# Altium PCB Hall Board.PcbDoc (part 3 of 4)
Units mil, origin at the board's own origin, x right, y up, seen from the top; angles counter-clockwise.
Board outline 5491 x 4230 mil, 4 copper layers (Top Layer, Internal Plane 1, Internal Plane 2, Bottom Layer), stack 18.2 mil thick; 462 components, 334 nets, 1357 pads, 212 vias.
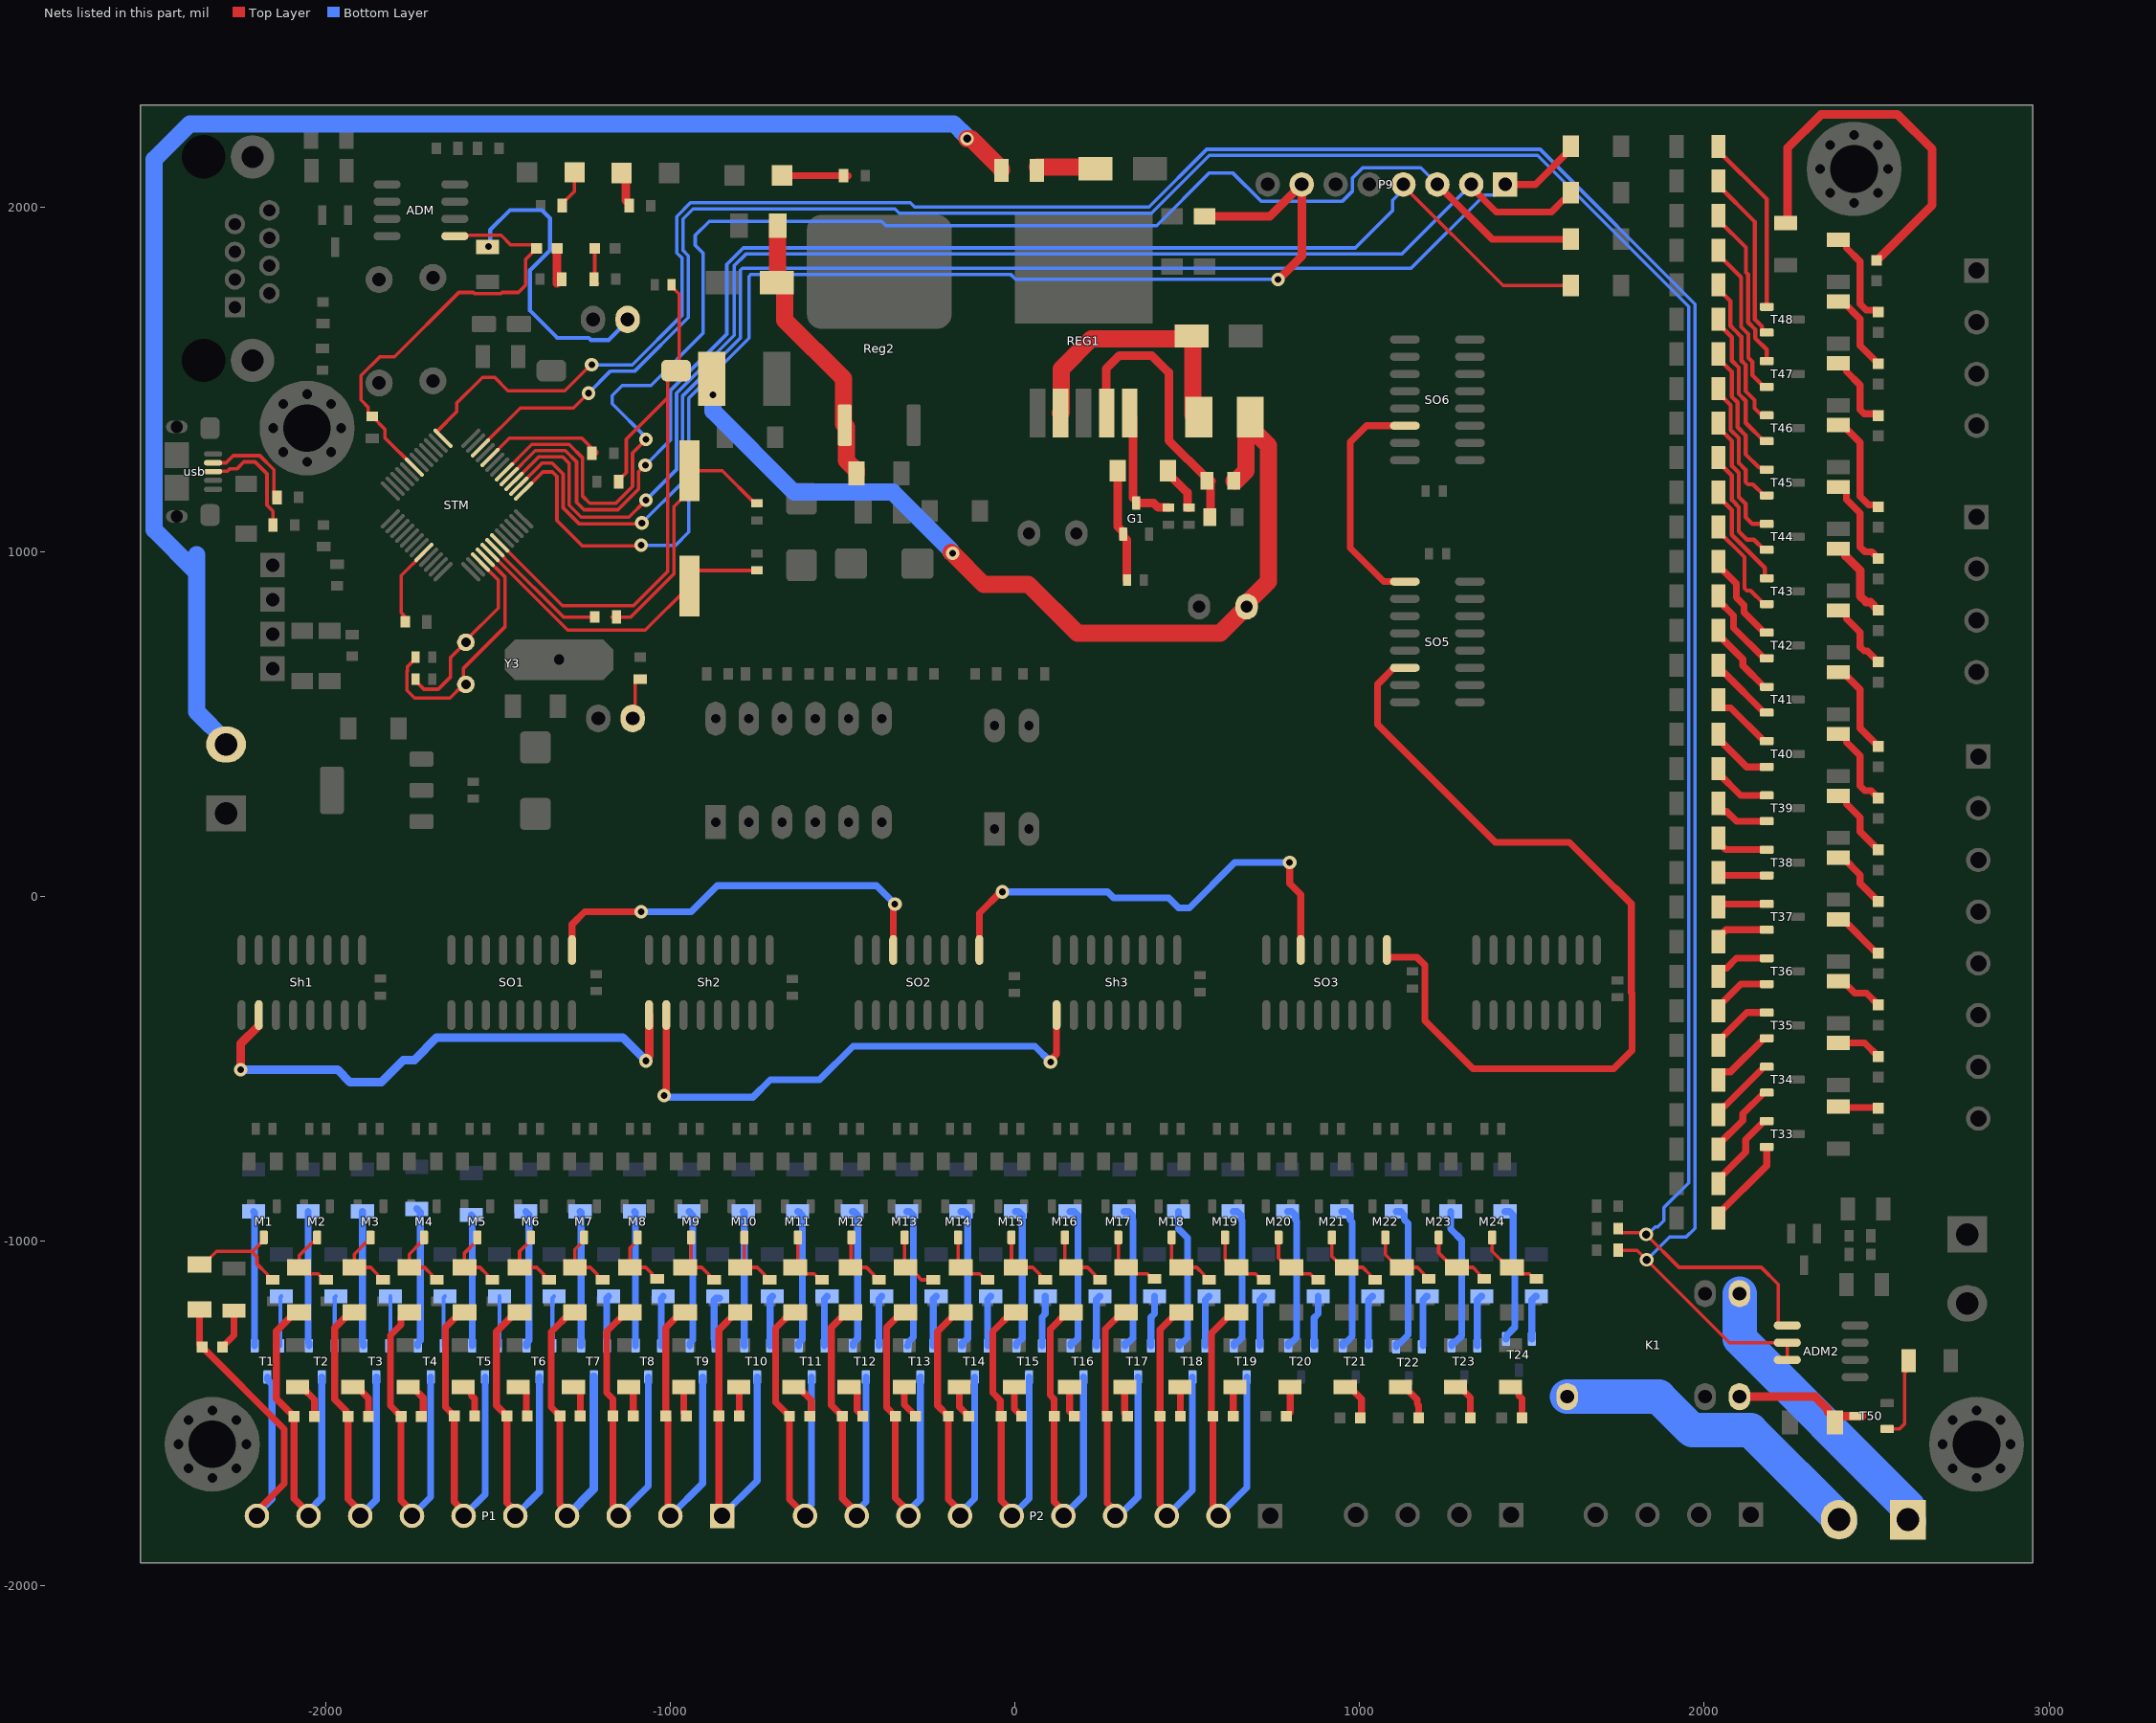
[diagram p5: the nets of this part, all layers, seen from the top]

## Via types
v1: diameter 39.37, hole 19.68, Top Layer to Bottom Layer, 199 vias
v2: diameter 39.37, hole 23.62, Top Layer to Bottom Layer, 12 vias
v3: diameter 78.74, hole 39.37, Top Layer to Bottom Layer, 1 vias

## Nets (pads, with @x,y where several pads share a name; then routed paths per layer and width w, separated by ;. In a path a pad name is that pad's centre, name@x,y a point inside that pad or via, vN(x,y) a via of type N, cw(c..) or ccw(c..) an arc to the next point about the centre after c; other vN are vias at no path point) (continued)
MISO: DZ14.2 P9.4 STM.16 | length 4024.6
  Top Layer w10: STM.16@-1468.28,1217.12 -1392.67,1292.73 -1305.61,1292.73 -1272.87,1260 -1272.87,1142.87 -1251.08,1121.08 -1152.74,1121.08 -1092.68,1181.14 -1092.68,1230.78 v1(-1073.46,1250) ; P9.4@1126.85,2065 1126.85,2060.32 1415.72,1771.44 DZ14.2@1612.16,1771.44
  Bottom Layer w10: v1(-1073.46,1250) -1000.59,1322.87 -1000.59,1466.72 -836.75,1630.56 -836.75,1832.97 -788.97,1880.75 986.75,1880.75 1095,1989 1095,2019 1126.85,2050.85 P9.4@1126.85,2065
MOSI: DZ13.2 P9.3 STM.17 | length 4320.7
  Top Layer w10: STM.17@-1482.2,1231.04 -1402.64,1310.61 -1294.35,1310.61 -1255,1271.26 -1255,1160 -1235,1140 -1159.1,1140 -1110.56,1188.54 -1110.56,1285.9 v1(-1071.45,1325)
  Top Layer w20: P9.3@1225.28,2065 1384.15,1906.13 DZ13.2@1612.16,1906.13
  Bottom Layer w10: v1(-1071.45,1325) -1071.45,1331.07 -1169.22,1428.84 -1169.22,1452.67 -1140,1481.89 -1057.19,1481.89 -905.37,1633.71 -905.37,1865.52 -928.43,1888.58 -928.43,1917.52 -887.95,1958 -387.65,1958 -375.28,1945.63 410.43,1945.63 562.37,2097.57 632.26,2097.57 713.14,2016.69 950.01,2016.69 979.21,2045.9 979.21,2084.1 1008.42,2113.31 1176.97,2113.31 P9.3@1225.28,2065
Net3.3V_2: 3.3V.2 R83.2 | length 103.6
  Top Layer w25: 3.3V.2@-1142.36,2098 -1130.43,2086.07 -1130.43,2019.33 -1120.44,2009.35 R83.2@-1120.44,2003.44
Net5V_2: 5V.2 R82.2 | length 111.4
  Top Layer w10: R82.2@-1314.46,2003.44 -1314.46,2009.35 -1278.72,2045.09 5V.2@-1278.72,2100
Net24V_2: 24V.2 R80.2 | length 193.4
  Top Layer w20: 24V.2@-676.69,2091.13 -676.12,2090.56 -484.34,2090.56 -483.77,2090
NetADM2_2: ADM2.2 ADM2.3 R'22.2 STM.25 | length 7968.9
  Top Layer w10: STM.25@-1660.37,1328.48 -1681.7,1349.81 -1681.7,1351 -1678.51,1347.81 -1621.18,1405.14 -1621.18,1429.77 -1545.95,1505 -1510.12,1505 -1471.79,1466.66 -1307.06,1466.66 -1232.17,1541.55 v1(-1229,1541.55) ; R'22.2@1750.62,-1027.27 1804.99,-1027.27 v2(1832.87,-1055.16) 2073.06,-1295.34 ADM2.2@2240.81,-1295.34 ADM2.3@2240.81,-1345.34
  Bottom Layer w10: v1(-1229,1541.55) -1110.9,1541.55 -966.28,1686.17 -966.28,1850.59 -982.06,1866.37 -982.06,1971.83 -942.27,2011.62 -303.96,2011.62 -291.59,1999.25 388.22,1999.25 555.9,2166.93 1523.63,2166.93 1972.75,1717.81 1972.75,-963.43 1947.41,-988.77 1899.26,-988.77 v2(1832.87,-1055.16)
NetC7_1: C7.1 R8.2 Y2.1 | length 785.4
  Top Layer w10: -1170.95,810 -1115,810 -990,935 -990,1130.59 -945,1175.59 Y2.1@-945,1234.65 -850.07,1234.65 -754.92,1139.5 C7.1@-750,1139.5
NetC12_1: C12.1 K1.2 | length 864.8
  Bottom Layer w100: K1.2@2102.13,-1152.94 2102.13,-1283.51 2591.5,-1772.89 2591.5,-1811.5 C12.1@2594,-1814
NetC12_2: C12.2 K1.1 | length 944.7
  Bottom Layer w100: K1.1@1602.13,-1452.15 1867.86,-1452.15 1965.11,-1549.39 2134.39,-1549.39 2392.37,-1807.37 2392.37,-1812.37 C12.2@2394,-1814
NetC15_2: C15.2 STM.3 Y3.1 | length 542.4
  Top Layer w10: C15.2@-1740.54,630 -1740.54,625.08 -1715.86,600.39 -1674.4,600.39 -1638.24,636.56 -1638.24,692.43 Y3.1@-1594.2,736.48 ; Y3.1@-1596.84,739.11 -1500,835.95 -1500,917.07 -1551.79,968.87 STM.3@-1551.79,969.36
NetC16_2: C16.2 STM.4 Y3.2 | length 746.7
  Top Layer w10: C16.2@-1740.54,694.06 -1740.54,689.14 -1764.08,665.61 -1764.08,653.21 -1765.23,652.06 -1765.23,596.94 -1743.28,575 -1640.23,575 Y3.2@-1600.8,614.43 ; Y3.2@-1594.2,614.43 Y3.2@-1600.8,614.43 ; STM.4@-1537.88,983.28 -1480,925.4 -1480,782.28 -1600.8,661.48 Y3.2@-1600.8,614.43
NetCM21_1: CM21.1 L5.1@-880.76,1501.37 LH4.2 RN1.1 | length 2738.4
  Top Layer w10: L5.1@-880.76,1501.37 -880.76,1458.2 v1(-876.58,1454.03)
  Top Layer w50: v1@-185,998.25 v1(-181.75,995) -91.75,905 38.55,905 180.67,762.87 595.19,762.87 671.38,839.06 CM21.1@671.38,840 671.38,849.06 735,912.68 735,1306.85 LH4.2@669.8,1372.05 ; RN1.1@634.96,1205 640.67,1205 669.8,1234.13 LH4.2@669.8,1372.05 ; LH4.2@669.8,1391.73 LH4.2@669.8,1372.05
  Bottom Layer w50: v1@-880.76,1446.8 -876.58,1450.98 -876.58,1406.84 -641.69,1171.95 -355.05,1171.95 -185,1001.91 v1@-185,998.25
NetCR1_1: CR1.1 DM2.2 DP1.2 Reg2.1 | length 829.2
  Top Layer w50: DM2.2@-693.6,1777.66 DM2.2@-691.26,1780 ; CR1.1@-688.9,1945 -689.49,1944.41 -689.49,1781.77 DM2.2@-691.26,1780 ; DM2.2@-687.53,1777.66 -686.94,1777.07 DM2.2@-686.94,1775.32 ; DP1.2@-460.62,1226.65 -460.62,1234.72 -489.47,1263.57 -489.47,1361.37 Reg2.1@-494.47,1366.37 -498.17,1370.07 -498.17,1501.37 -668.34,1671.54 -668.34,1771.54 -676.81,1780 DM2.2@-691.26,1780
NetDM3_2: DM3.2 LH4.1 REG1.2 | length 783.6
  Top Layer w50: REG1.2@131.62,1401.06 133.98,1403.42 133.98,1529.88 220.63,1616.54 503.1,1616.54 DM3.2@511.57,1625 515.88,1620.68 515.88,1396.05 LH4.1@520.2,1391.73
NetDM6_1: DM6.1 F3.2 | length 146.1
  Top Layer w50: F3.2@65,2115 DM6.1@211.13,2115
NetDP13_1: DP13.1 K1.5 T50.3 | length 402.5
  Top Layer w25: K1.5@2102.13,-1452.15 2321.58,-1452.15 2358.92,-1489.49 2358.92,-1491.58 2360.06,-1492.72 2360.06,-1497.44 2378.68,-1516.06 DP13.1@2378.68,-1520.37 ; DP13.1@2378.68,-1526.89 DP13.1@2378.68,-1520.37 ; T50.3@2440.07,-1508.56 2439.38,-1509.25 2389.8,-1509.25 DP13.1@2378.68,-1520.37 ; T50.3@2440.07,-1508.45 T50.3@2458.43,-1508.45
NetDT1_1: DT1.1 M1.3 RJ1.2 | length 333.8
  Top Layer w10: DT1.1@-2367.13,-1068.77 -2356.3,-1068.77 -2317.8,-1030.28 -2213,-1030.28 ; M1.3@-2180.79,-990.2 -2180.79,-998.07 -2213,-1030.28 ; RJ1.2@-2154.71,-1112.95 -2160.62,-1112.95 -2169.4,-1104.17 -2169.4,-1098.27 -2200.59,-1067.07 -2200.59,-1046.27 -2213,-1033.87 -2213,-1030.28
NetDT2_1: DT2.1 M2.3 RJ2.2 | length 206.2
  Top Layer w10: M2.3@-2025.79,-990.2 -2025.79,-998.07 -2032.6,-1004.88 -2040.48,-1004.88 -2078,-1042.4 DT2.1@-2078,-1077.04 -2059.38,-1095.66 -2022.91,-1095.66 -2005.62,-1112.95 RJ2.2@-1999.71,-1112.95
NetDT3_1: DT3.1 M3.3 RJ3.2 | length 212
  Top Layer w10: M3.3@-1870.79,-990.2 -1870.79,-998.07 -1877.6,-1004.88 -1884.46,-1004.88 -1918,-1038.42 DT3.1@-1918,-1077.04 -1870.69,-1077.04 -1849.46,-1098.27 -1849.46,-1104.17 -1840.68,-1112.95 RJ3.2@-1834.78,-1112.95
NetDT4_1: DT4.1 M4.3 RJ4.2 | length 203.4
  Top Layer w10: M4.3@-1715.79,-990.2 -1715.79,-998.07 -1722.6,-1004.88 -1724.46,-1004.88 -1758,-1038.42 DT4.1@-1758,-1077.04 -1714.31,-1077.04 -1693.08,-1098.27 -1693.08,-1104.17 -1684.3,-1112.95 RJ4.2@-1678.39,-1112.95
NetDT5_1: DT5.1 M5.3 RJ5.2 | length 201
  Top Layer w10: M5.3@-1560.79,-990.2 -1560.79,-998.07 -1598,-1035.28 DT5.1@-1598,-1077.04 -1553.49,-1077.04 -1532.27,-1098.27 -1532.27,-1104.17 -1523.49,-1112.95 RJ5.2@-1517.58,-1112.95
NetDT6_1: DT6.1 M6.3 RJ6.2 | length 203.8
  Top Layer w10: M6.3@-1405.79,-990.2 -1405.79,-998.07 -1438,-1030.28 DT6.1@-1438,-1077.04 -1388.58,-1077.04 -1367.36,-1098.27 -1367.36,-1104.17 -1358.58,-1112.95 RJ6.2@-1352.67,-1112.95
NetDT7_1: DT7.1 M7.3 RJ7.2 | length 197.1
  Top Layer w10: M7.3@-1250.79,-990.2 -1250.79,-998.07 -1278,-1025.28 DT7.1@-1278,-1077.04 -1233.28,-1077.04 -1212.05,-1098.27 -1212.05,-1104.17 -1203.27,-1112.95 RJ7.2@-1197.37,-1112.95
NetDT8_1: DT8.1 M8.3 RJ8.2 | length 192.4
  Top Layer w10: M8.3@-1095.79,-990.2 -1095.79,-998.07 -1118,-1020.28 DT8.1@-1118,-1077.04 -1072.46,-1077.04 -1053.69,-1095.82 -1053.69,-1101.72 -1044.91,-1110.5 RJ8.2@-1039,-1110.5
NetDT9_1: DT9.1 M9.3 RJ9.2 | length 196.7
  Top Layer w10: M9.3@-940.79,-990.2 -940.79,-1059.83 DT9.1@-958,-1077.04 -909.49,-1077.04 -888.27,-1098.27 -888.27,-1104.17 -879.49,-1112.95 RJ9.2@-873.58,-1112.95
NetDT10_1: DT10.1 M10.3 RJ10.2 | length 195.7
  Top Layer w10: M10.3@-785.79,-990.2 -785.79,-1064.83 DT10.1@-798,-1077.04 -748.55,-1077.04 -727.19,-1098.41 -727.19,-1104.17 -718.41,-1112.95 RJ10.2@-712.5,-1112.95
NetDT11_1: DT11.1 M11.3 RJ11.2 | length 182.5
  Top Layer w10: M11.3@-630.79,-990.2 -630.79,-1069.83 DT11.1@-638,-1077.04 -619.38,-1095.66 -583.39,-1095.66 -566.1,-1112.95 RJ11.2@-560.19,-1112.95
NetDT12_1: DT12.1 M12.3 RJ12.2 | length 188.4
  Top Layer w10: M12.3@-475.79,-990.2 -475.79,-1074.83 DT12.1@-478,-1077.04 -431.58,-1077.04 -410.35,-1098.27 -410.35,-1104.17 -401.57,-1112.95 RJ12.2@-395.66,-1112.95
NetDT13_1: DT13.1 M13.3 RJ13.2 | length 183.8
  Top Layer w10: M13.3@-320.79,-990.2 -320.79,-1074.25 DT13.1@-318,-1077.04 -307.17,-1077.04 -279.52,-1104.7 -279.52,-1105.88 -272.45,-1112.95 RJ13.2@-237.76,-1112.95
NetDT14_1: DT14.1 M14.3 RJ14.2 | length 183.1
  Top Layer w10: M14.3@-165.79,-990.2 -165.79,-1069.25 DT14.1@-158,-1077.04 -139.38,-1095.66 -103.05,-1095.66 -85.76,-1112.95 RJ14.2@-79.86,-1112.95
NetDT15_1: DT15.1 M15.3 RJ15.2 | length 195.9
  Top Layer w10: M15.3@-10.79,-990.2 -10.79,-1064.25 DT15.1@2,-1077.04 51.45,-1077.04 72.74,-1098.33 72.74,-1104.17 81.52,-1112.95 RJ15.2@87.42,-1112.95
NetDT16_1: DT16.1 M16.3 RJ16.2 | length 196.3
  Top Layer w10: M16.3@144.21,-990.2 144.21,-1059.25 DT16.1@162,-1077.04 209.88,-1077.04 231.11,-1098.27 231.11,-1104.17 239.89,-1112.95 RJ16.2@245.79,-1112.95
NetDT17_1: DT17.1 M17.3 RJ17.2 | length 194.6
  Top Layer w10: M17.3@299.21,-990.2 299.21,-1058.42 317.83,-1077.04 DT17.1@322,-1077.04 340.28,-1095.31 383.62,-1095.31 RJ17.2@389.48,-1101.17 ; RJ17.2@389.48,-1101.22 398.26,-1110 RJ17.2@404.16,-1110
NetDT18_1: DT18.1 M18.3 RJ18.2 | length 202.6
  Top Layer w10: M18.3@454.21,-990.2 454.21,-1058.42 472.83,-1077.04 DT18.1@482,-1077.04 526.62,-1077.04 547.85,-1098.27 547.85,-1104.17 556.63,-1112.95 RJ18.2@562.53,-1112.95
NetDT19_1: DT19.1 M19.3 RJ19.2 | length 200.5
  Top Layer w10: M19.3@609.21,-990.2 609.21,-1055.07 631.17,-1077.04 DT19.1@642,-1077.04 660.28,-1095.31 697.36,-1095.31 715,-1112.95 RJ19.2@720.9,-1112.95
NetDT20_1: DT20.1 M20.3 RJ20.2 | length 201
  Top Layer w10: M20.3@764.21,-990.2 764.21,-1050.07 791.17,-1077.04 DT20.1@802,-1077.04 820.62,-1095.66 856.08,-1095.66 873.37,-1112.95 RJ20.2@879.27,-1112.95
NetDT21_1: DT21.1 M21.3 RJ21.2 | length 211.7
  Top Layer w10: M21.3@919.21,-990.2 919.21,-1045.07 951.17,-1077.04 DT21.1@962,-1077.04 1008.57,-1077.04 1029.8,-1098.27 1029.8,-1104.17 1038.58,-1112.95 RJ21.2@1044.49,-1112.95
NetDT22_1: DT22.1 M22.3 RJ22.2 | length 208.4
  Top Layer w10: M22.3@1074.21,-990.2 1074.21,-1040.07 1111.17,-1077.04 DT22.1@1122,-1077.04 1167.3,-1077.04 1185.58,-1095.31 1185.58,-1101.22 1194.36,-1110 RJ22.2@1200.26,-1110
NetDT23_1: DT23.1 M23.3 RJ23.2 | length 211.5
  Top Layer w10: M23.3@1229.21,-990.2 1229.21,-1035.07 1271.17,-1077.04 DT23.1@1282,-1077.04 1328.34,-1077.04 1346.61,-1095.31 1346.61,-1101.22 1355.39,-1110 RJ23.2@1361.3,-1110
NetDT24_1: DT24.1 M24.3 RJ24.2 | length 201.5
  Top Layer w10: M24.3@1384.21,-990.2 1384.21,-1030.07 1431.17,-1077.04 DT24.1@1442,-1077.04 1460.62,-1095.66 1492.51,-1095.66 1506.85,-1110 RJ24.2@1512.76,-1110
NetDZ3_1: DZ3.1 G1.1 R10.2 | length 328.2
  Top Layer w25: DZ3.1@298.16,1234.51 298.16,1072.33 314,1056.5 G1.1@314,1050 314,1043.5 324,1033.5 R10.2@324,917
NetDZ3_2: DZ3.2 R4.1 | length 134.5
  Top Layer w25: DZ3.2@443.84,1234.51 443.84,1226.63 499.87,1170.6 499.87,1127.69 500.56,1127 R4.1@504.1,1127
NetF3_1: F3.1 PO.2 | length 4392
  Top Layer w50: v2(-139.6,2197.6) -127.49,2197.6 -39.47,2109.57 F3.1@-39.47,2105.44
  Bottom Layer w50: -2375,991.01 -2375,939 ; PO.2@-2290,440 -2290,449.88 -2375,534.88 -2375,939 ; v2@-141,2204 -178,2241 -2394.57,2241 -2498.39,2137.19 -2498.39,1062.39 -2375,939
NetG1_3: G1.3 R9.1 REG1.5 | length 348
  Top Layer w25: REG1.5@332.41,1401.06 342.16,1391.31 G1.3@342.16,1156.29 ; G1.3@351.4,1140.55 402.09,1140.55 414.95,1127.69 444.31,1127.69 R9.1@445,1127
NetJP1_1: JP1.1 RM1.2 | length 893.2
  Bottom Layer w12: v1@-1534.71,1890 -1523.87,1900.84 -1523.87,1932.76 -1466.12,1990.5 -1373.3,1990.5 -1349.87,1967.08 -1349.87,1873.99 -1407.91,1815.95 -1407.91,1698.73 -1328.79,1619.6 -1237.12,1619.6 -1231.01,1613.5 -1179.98,1613.5 -1125,1668.48 JP1.1@-1125,1673.48
  other v1: -1528.06,1884.59
NetL1_1: L1.1 RR1.2 | length 119.2
  Top Layer w20: L1.1@-2300.47,-1307.78 -2266.85,-1274.16 RR1.2@-2266.85,-1202.54
NetL2_1: L2.1 RR2.2 | length 112.5
  Top Layer w20: RR2.2@-2081.99,-1424.59 -2069.2,-1424.59 -2033.67,-1460.12 L2.1@-2033.67,-1509.57
NetL3_1: L3.1 RR3.2 | length 111.2
  Top Layer w20: RR3.2@-1921.99,-1424.59 -1909.2,-1424.59 -1876.81,-1456.98 L3.1@-1876.81,-1509.57
NetL4_1: L4.1 RR4.2 | length 112.7
  Top Layer w20: RR4.2@-1761.99,-1424.59 -1749.2,-1424.59 -1718.2,-1455.59 -1718.2,-1504.65 L4.1@-1723.12,-1509.57
NetL5_1: L5.1@-1568.47,-1508 RR5.2 | length 104.8
  Top Layer w20: RR5.2@-1601.99,-1424.59 -1589.2,-1424.59 -1578.53,-1435.26 -1578.53,-1448.05 -1568.47,-1458.11 L5.1@-1568.47,-1508
NetL6_1: L6.1 RR6.2 | length 101.8
  Top Layer w20: RR6.2@-1441.99,-1424.59 -1429.2,-1424.59 -1418.53,-1435.26 -1418.53,-1505.21 L6.1@-1415.74,-1508
NetL7_1: L7.1 RR7.2 | length 97.1
  Top Layer w20: RR7.2@-1281.99,-1424.59 -1272.72,-1424.59 -1262.05,-1435.26 L7.1@-1262.05,-1508
NetL8_1: L8.1 RR8.2 | length 90.8
  Top Layer w20: RR8.2@-1121.99,-1424.59 -1119.03,-1424.59 -1108.36,-1435.26 L8.1@-1108.36,-1508
NetL9_1: L9.1 RR9.2 | length 86.4
  Top Layer w20: RR9.2@-961.99,-1424.59 -961.99,-1500.68 L9.1@-954.68,-1508
NetL10_1: L10.1 RR10.2 | length 83.8
  Top Layer w20: RR10.2@-801.99,-1424.59 -800.99,-1425.6 L10.1@-800.99,-1508
NetL11_1: L11.1 RR11.2 | length 114.6
  Top Layer w20: RR11.2@-641.99,-1424.59 -629.2,-1424.59 -591.05,-1462.74 -591.05,-1503.67 L11.1@-595.97,-1508.59
NetL12_1: L12.1 RR12.2 | length 107.9
  Top Layer w20: RR12.2@-481.99,-1424.59 -469.2,-1424.59 -458.53,-1435.26 -458.53,-1492.38 L12.1@-442.32,-1508.59
NetL13_1: L13.1 RR13.2 | length 97.8
  Top Layer w20: RR13.2@-321.99,-1424.59 -321.99,-1475.27 L13.1@-288.68,-1508.59
NetL14_1: L14.1 RR14.2 | length 95.2
  Top Layer w20: RR14.2@-161.99,-1424.59 -161.99,-1481.63 L14.1@-135.03,-1508.59
NetL15_1: L15.1 RR15.2 | length 92.5
  Top Layer w20: RR15.2@-1.99,-1424.59 -1.99,-1487.98 L15.1@18.61,-1508.59
NetL16_1: L16.1 RR16.2 | length 89.9
  Top Layer w20: RR16.2@158.01,-1424.59 158.01,-1494.33 L16.1@172.26,-1508.59
NetL17_1: L17.1 RR17.2 | length 87.3
  Top Layer w20: RR17.2@318.01,-1424.59 318.01,-1500.69 L17.1@325.91,-1508.59
NetL18_1: L18.1 RR18.2 | length 84.6
  Top Layer w20: RR18.2@478.01,-1424.59 479.55,-1426.14 L18.1@479.55,-1508.59
NetL19_1: L19.1 RR19.2 | length 86
  Top Layer w20: L19.1@633.2,-1508.59 633.2,-1429.4 RR19.2@638.01,-1424.59
NetL20_1: L20.1 RR20.2 | length 88.6
  Top Layer w20: L20.1@786.84,-1508.59 798.01,-1497.42 RR20.2@798.01,-1424.59
NetL21_1: L21.1 RR21.2 | length 117.6
  Top Layer w20: RR21.2@958.01,-1424.59 970.8,-1424.59 1005.31,-1459.1 1005.31,-1509.73 L21.1@1001.53,-1513.51
NetL22_1: L22.1 RR22.2 | length 118.3
  Top Layer w20: RR22.2@1118.01,-1424.59 1130.8,-1424.59 1166.46,-1460.25 1166.46,-1473.05 1170.92,-1477.5 L22.1@1170.92,-1513.51
NetL23_1: L23.1 RR23.2 | length 114.2
  Top Layer w20: RR23.2@1278.01,-1424.59 1290.8,-1424.59 1320.92,-1454.71 L23.1@1320.92,-1513.51
NetL24_1: L24.1 RR24.2 | length 110
  Top Layer w20: RR24.2@1438.01,-1424.59 1450.8,-1424.59 1461.47,-1435.26 1461.47,-1448.05 1470.92,-1457.5 L24.1@1470.92,-1513.51
NetO1_1: O1.1 RH1.1 | length 118.2
  Top Layer w20: RH1.1@2389,-610.07 2391.7,-612.77 2502.3,-612.77 O1.1@2505,-615.47
NetO2_1: O2.1 RH2.1 | length 132.6
  Top Layer w20: RH2.1@2389,-425.45 2464.98,-425.45 O2.1@2505,-465.47
NetO3_1: O3.1 RH3.1 | length 144.7
  Top Layer w20: RH3.1@2389,-246.26 2401.8,-246.26 2436.98,-281.44 2470.97,-281.44 O3.1@2505,-315.47
NetO4_1: O4.1 RH4.1 | length 156.8
  Top Layer w20: RH4.1@2389,-67.06 2401.8,-67.06 2494.46,-159.72 2499.25,-159.72 O4.1@2505,-165.47
NetO5_1: O5.1 RH5.1 | length 183.2
  Top Layer w20: RH5.1@2389,112.14 2401.8,112.14 2452,61.93 2452,37.53 O5.1@2505,-15.47
NetO6_1: O6.1 RH6.1 | length 212.3
  Top Layer w20: RH6.1@2389,291.33 2401.8,291.33 2412.46,280.66 2412.46,267.87 2452,228.33 2452,187.53 O6.1@2505,134.53
NetO7_1: O7.1 RH7.1 | length 251.8
  Top Layer w20: RH7.1@2389,470.53 2401.8,470.53 2412.46,459.86 2412.46,447.06 2452,407.53 2452,319.95 2466.14,305.81 2483.71,305.81 O7.1@2505,284.53
NetO8_1: O8.1 RH8.1 | length 270.7
  Top Layer w20: RH8.1@2389,649.73 2401.8,649.73 2452,599.52 2452,487.53 O8.1@2505,434.53
NetO9_1: O9.1 RH9.1 | length 210.2
  Top Layer w20: RH9.1@2389,828.92 2401.8,828.92 2412.46,818.25 2412.46,805.46 2452,765.92 2452,723.59 2463.72,711.88 2472.65,711.88 O9.1@2505,679.53
NetO10_1: O10.1 RH10.1 | length 240.9
  Top Layer w25: RH10.1@2389,1008.12 2401.8,1008.12 2409.96,999.95 2409.96,987.15 2452,945.12 2452,871.04 2469.68,853.36 2481.17,853.36 O10.1@2505,829.53
NetO11_1: O11.1 RH11.1 | length 274.7
  Top Layer w20: RH11.1@2389,1187.32 2401.8,1187.32 2412.46,1176.65 2412.46,1150.94 2452,1111.4 2452,1013.06 2465.64,999.42 2485.11,999.42 O11.1@2505,979.53
NetO12_1: O12.1 RH12.1 | length 305.7
  Top Layer w20: RH12.1@2389,1366.51 2401.8,1366.51 2452,1316.31 2452,1160 2476.72,1135.28 2499.25,1135.28 O12.1@2505,1129.53
NetO13_1: O13.1 RH13.1 | length 228
  Top Layer w20: RH13.1@2389,1545.71 2401.8,1545.71 2412.46,1535.04 2412.46,1522.24 2452,1482.71 2452,1411.16 2463.72,1399.45 2500.08,1399.45 O13.1@2505,1394.53
NetO14_1: O14.1 RH14.1 | length 235.9
  Top Layer w20: RH14.1@2389,1724.91 2401.8,1724.91 2452,1674.7 2452,1597.53 O14.1@2505,1544.53
NetO15_1: O15.1 RH15.1 | length 282.4
  Top Layer w20: RH15.1@2389,1904.1 2401.8,1904.1 2412.46,1893.43 2412.46,1880.64 2452,1841.1 2452,1718 2469.72,1700.28 2499.25,1700.28 O15.1@2505,1694.53
NetO16_1: O16.1 RH16.1 | length 1110.8
  Top Layer w25: RH16.1@2236,1953.05 2241.41,1958.46 2241.41,2170.41 2339.17,2268.17 2559.83,2268.17 2661,2167 2661,2005.53 O16.1@2500,1844.53